# Altium PCB SW1106 100W 单C.PcbDoc (part 1 of 2)
Units mm, origin at the board's own origin, x right, y up, seen from the top; angles counter-clockwise.
Board outline 55.13 x 55.13 mm, 4 copper layers (Top Layer, Mid-Layer 1, Mid-Layer 2, Bottom Layer); 114 components, 71 nets, 330 pads, 226 vias.
Unrouted connection lines stored in the file: 11.
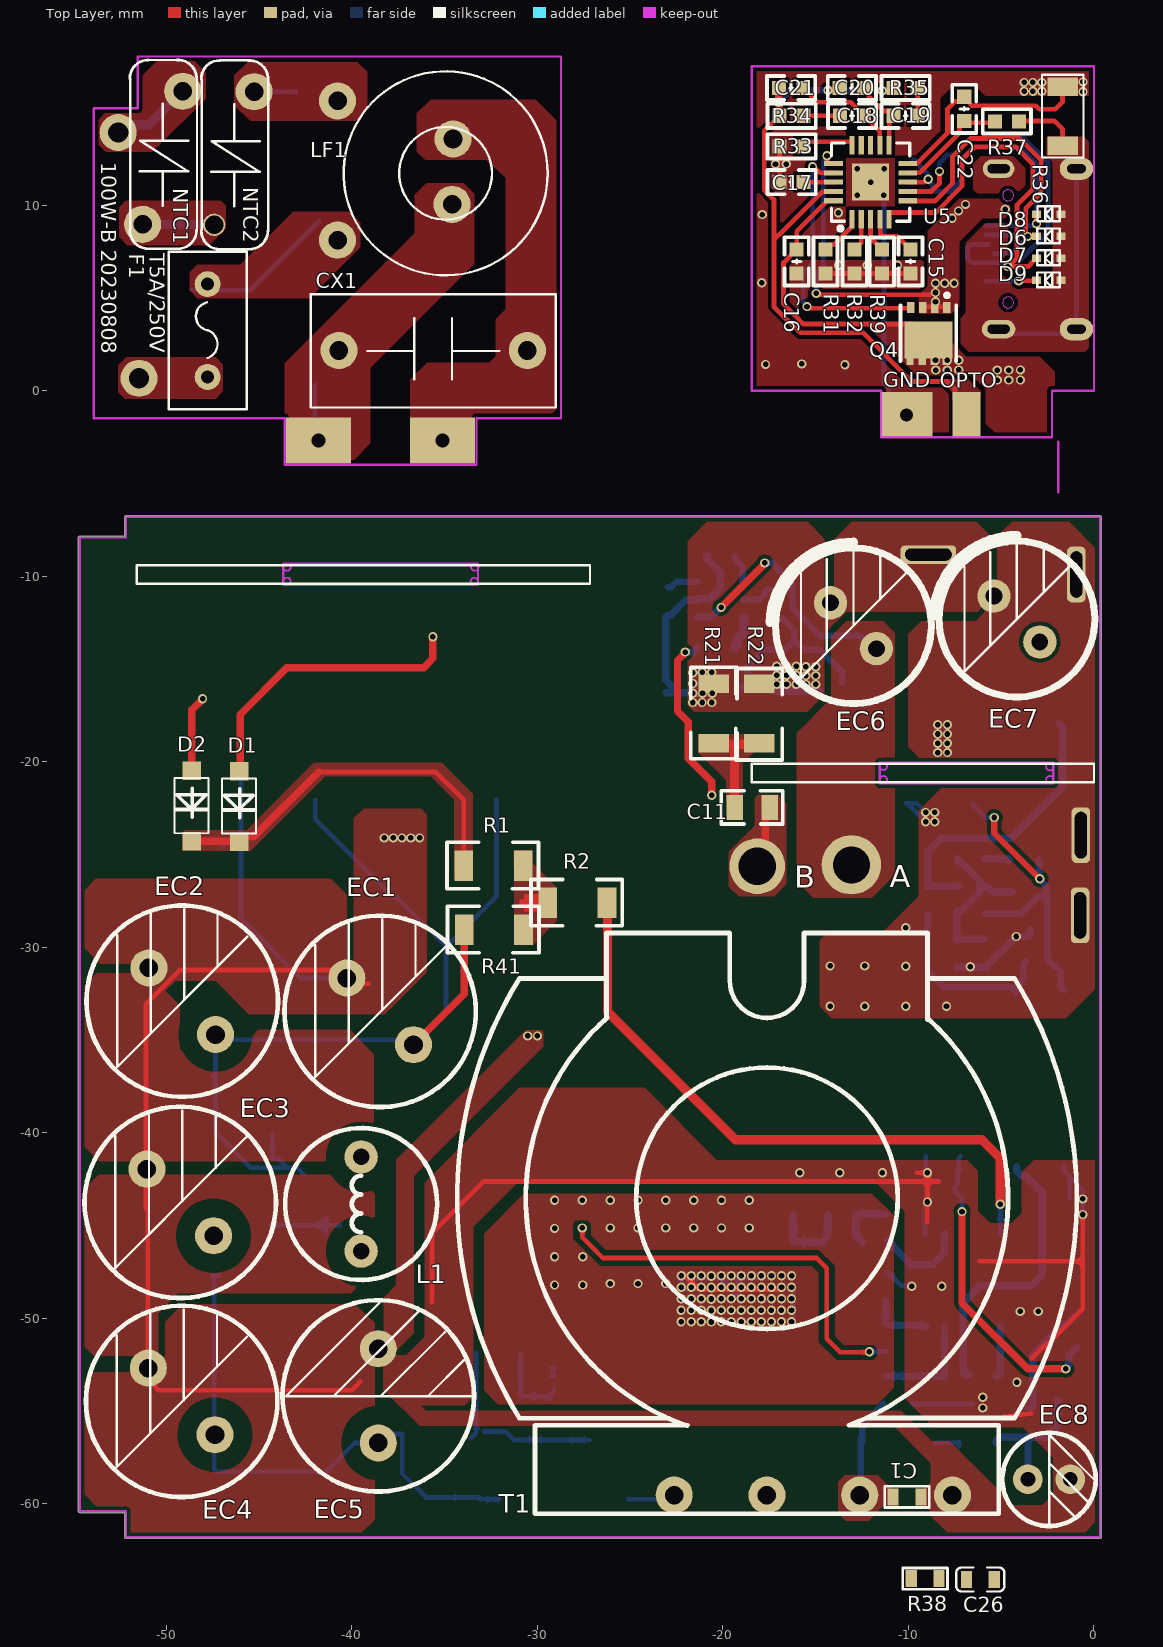
[diagram p0: Top Layer view]
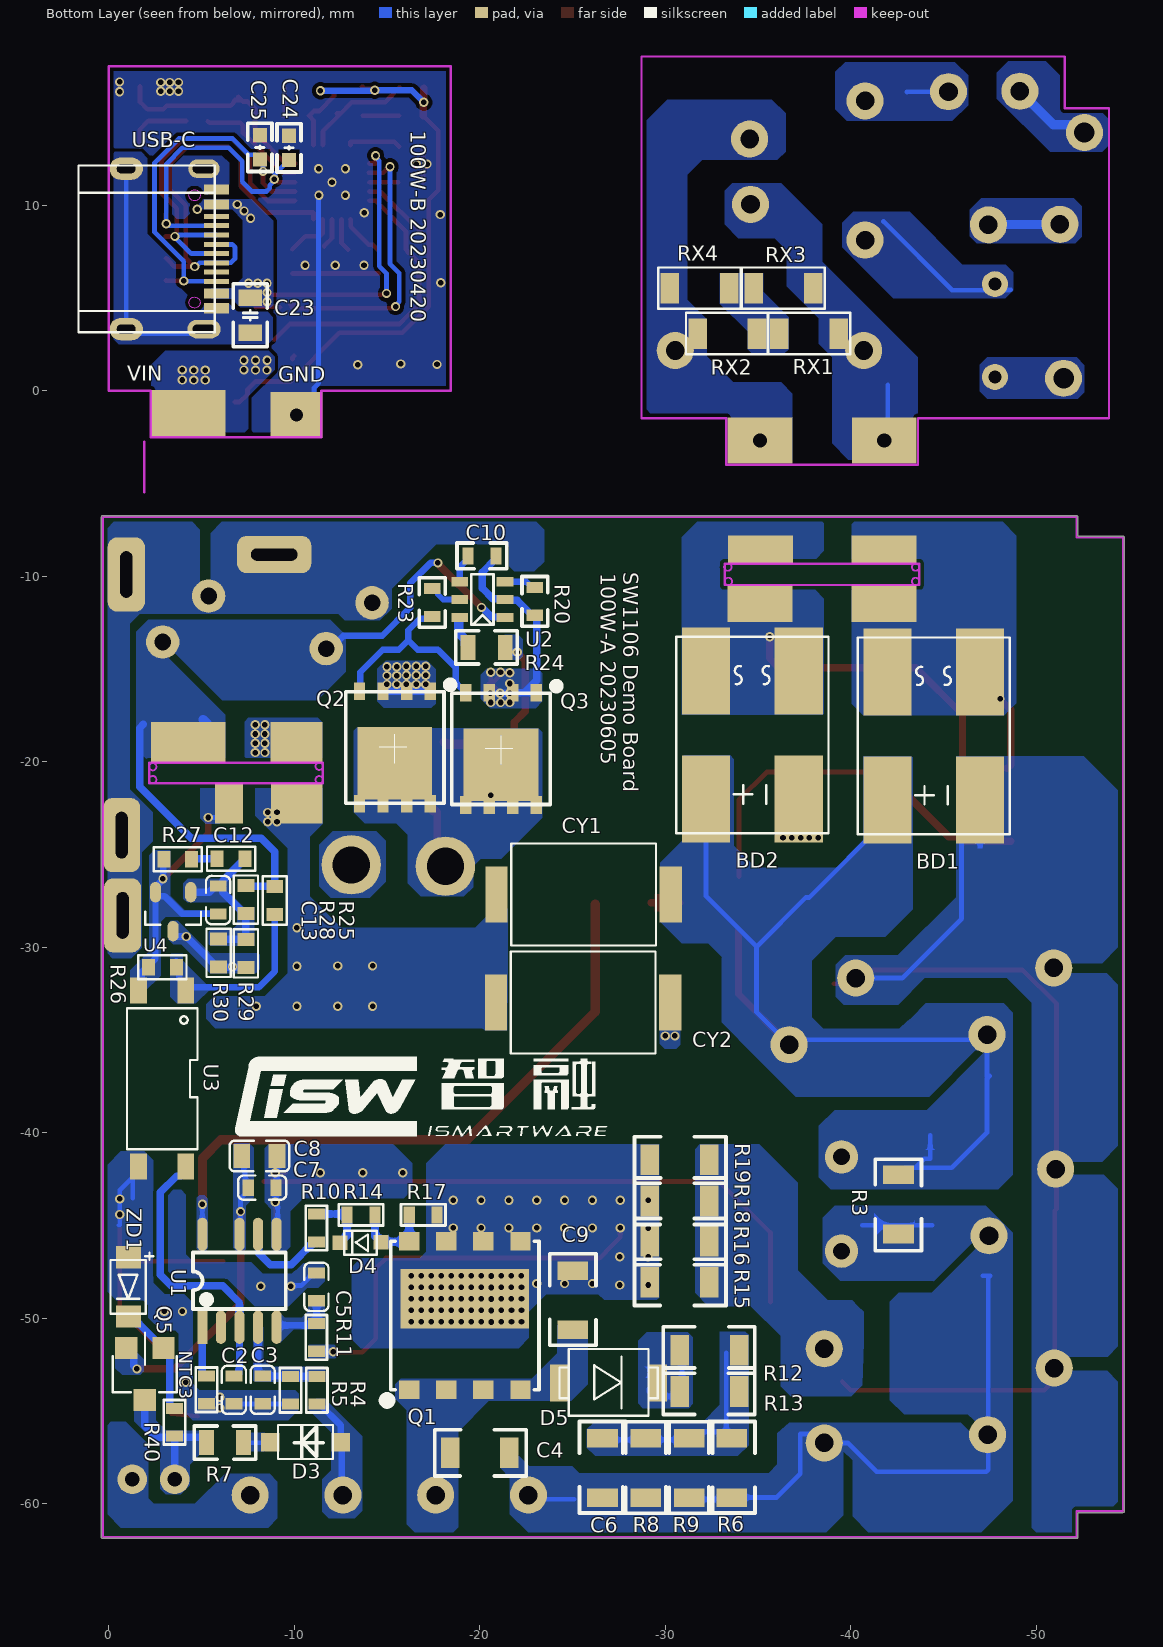
[diagram p1: Bottom Layer view, seen from below]

## Layer stack, top to bottom
Top Solder: solder mask 0.0102, Solder Resist, Dk 3.5
Top Layer: signal copper 0.0356
Dielectric 1: dielectric 0.32, FR-4, Dk 4.8
Mid-Layer 1: signal copper 0.0356
Dielectric3: dielectric 0.32, FR-4, Dk 4.8
Mid-Layer 2: signal copper 0.0356
Dielectric2: dielectric 0.32, FR-4, Dk 4.8
Bottom Layer: signal copper 0.0356
Bottom Solder: solder mask 0.0102, Solder Resist, Dk 3.5

## Board outline
-54.677,-60.464 cw(c-54.677,-60.4) -54.741,-60.4 -54.741,-7.9 cw(c-54.677,-7.9) -54.677,-7.836 -52.241,-7.836 -52.241,-6.8 cw(c-52.177,-6.8) -52.177,-6.736 0.323,-6.736 cw(c0.323,-6.8) 0.387,-6.8 0.387,-61.8 cw(c0.323,-61.8) 0.323,-61.864 -52.177,-61.864 cw(c-52.177,-61.8) -52.241,-61.8 -52.241,-60.464

## Design rules (kind name [scope] priority, off if disabled: settings)
Clearance Clearance_2 [InNet('PGND') vs InNet('380V')] p1: gap=1 ignorepadtopadclearanceinfootprint=FALSE
Clearance Clearance_1 [InNet('PGND') vs InNet('$$$23422')] p2: gap=1 ignorepadtopadclearanceinfootprint=FALSE
Clearance [All] p3: gap=0.2 ignorepadtopadclearanceinfootprint=FALSE
PlaneConnect [All] p1: planeconnectstyle=NoConnect reliefexpansion=0.508 reliefentries=4 reliefconductorwidth=0.254 reliefairgap=0.254
PolygonConnect [All] p1: connectstyle=Direct reliefconductorwidth=0.254 reliefentries=4 polygonreliefangle="90 Angle" airgapwidth=0.254
RoutingVias [All] p1: holewidth=0.711 width=1.27 viastyle="Through Hole" minholewidth=0.711 minwidth=1.27 maxholewidth=0.711 maxwidth=1.27
SolderMaskExpansion [All] p1: expansion=0.102 istentingtop=FALSE
Width [All] p1: maxlimit=1 minlimit=0.15 preferedwidth=0.254
29 further rules are at their usual default settings.

## Components (designator, comment, footprint, x,y, rotation, side; value= is the part's Value field where it differs from the comment)
BD1 "LXR80M" BRG$2F$Z4GP40JL(Z4PAK-D) -44.477,-18.6 r90 bottom
BD2 "LXR80M" BRG$2F$Z4GP40JL(Z4PAK-D) -34.702,-18.55 r90 bottom
C1 "220p" "0603R-S - ①" -10.077,-59.625 r180 top
C2 "1nF" "0603C-S - ①" -6.752,-53.85 r270 bottom
C3 "NC" "0603C-S - ①" -8.302,-53.85 r270 bottom
C4 "NC" "1206(Z)-C - 锡膏1部" -20.002,-57.225 r0 bottom (schematic designator C2)
C5 "220pF" "0603C-S - ①" -11.202,-48.3 r90 bottom
C6 "1nF/1KV" "1206(Z)-C - 锡膏1部" -26.608,-58.063 r270 bottom (schematic designator C2)
C7 "100nF" "0603C-S - ①" -8.277,-42.95 r0 bottom
C8 "10uF/25V" 0805C_S -8.127,-41.25 r180 bottom
C9 "22P/1KV" "1206(Z)-C - 锡膏1部" -25.002,-49.025 r270 bottom (schematic designator C2)
C10 "1uF" "0603(Z)-C 锡膏1部" -20.125,-8.9 r180 bottom (schematic designator C8)
C11 "680P/250V" "0805(Z)-C 锡膏1部" -18.425,-22.45 r0 top (schematic designator C7)
C12 "NC" RC0603$2F$REFLOW$2F$Z -6.6,-25.225 r90 bottom
C13 "NC" "0603C-S - ①" -5.9,-27.45 r270 bottom
C15 "1uF" "C 0603" -9.89,6.975 r90 top (schematic designator C1)
C16 "1uF" "C 0603" -16.025,6.973 r90 top (schematic designator C11)
C17 "1uF" "C 0603" -16.3,11.25 r0 top (schematic designator C11)
C18 "3.3nF" "C 0603" -13.04,14.825 r180 top (schematic designator C3)
C19 "68nF" "C 0603" -10.15,14.825 r0 top (schematic designator C4)
C20 "330pF" "C 0603" -13.05,16.325 r180 top (schematic designator C5)
C21 "330pF" "C 0603" -16.325,16.325 r180 top (schematic designator C2)
C22 "1uF" "C 0603" -6.99,15.2 r90 top (schematic designator C7)
C23 "10uF/25V" "C 0805" -7.632,4.075 r90 bottom (schematic designator C8)
C24 "330pF/25V" "C 0603" -9.725,13.1 r270 bottom (schematic designator C10)
C25 "330pF/25V" "C 0603" -8.15,13.125 r270 bottom (schematic designator C9)
C26 "NC" "0603C-S - ①" -6.127,-64.075 r180 top
CX1 "0.33uF/275V" CX13*6 -40.7,2.175 r0 top
CY1 "NC" Y1$2F$SMD -25.602,-27.15 r0 bottom
CY2 "681K/400V" Y1$2F$SMD -25.575,-32.975 r0 bottom
D1 "F7" SOD-123 -46.075,-22.4 r270 top
D2 "F7" SOD-123 -48.625,-22.375 r270 top
D3 "A7" "SOD-123 一部" -10.602,-56.675 r0 bottom (schematic designator D2)
D4 "1N4148" SOD-323 -14.677,-45.9 r0 bottom
D5 "S3MF" SMBF -26.952,-53.45 r0 bottom
D6 "ESD5V" SOD-523 -1.775,8.325 r180 top (schematic designator D1)
D7 "ESD5V" SOD-523 -1.775,7.15 r180 top (schematic designator D2)
D8 "ESD22V" SOD-523 -1.77,9.525 r180 top (schematic designator D3)
D9 "ESD22V" SOD-523 -1.775,5.95 r180 top (schematic designator D4)
EC1 "33uF" Q10*18.4 -38.477,-33.45 r135 top
EC2 "33uF" Q10*18.4 -49.148,-32.904 r135 top
EC3 "33uF" Q10*18.4 -49.252,-43.75 r135 top
EC4 "33uF" Q10*18.4 -49.177,-54.475 r135 top
EC5 "33uF" Q10*18.4 -38.577,-54.175 r90 top
EC6 "1000uF/25V" CS8*11.5 -12.964,-12.663 r315 top
EC7 "1000uF/25V" CS8*11.5 -4.152,-12.3 r315 top
EC8 "10uF/100V" Q5*11 -2.411,-58.674 r0 top
F1 "" F$2F$8X4 -47.777,3.25 r270 top
GND "" PAD -10.215,-1.225 r0 top
L1 "22uH" DR0810 -39.502,-46.375 r90 top
LF1 "TC10*6*4" "TC9*5*3 w" -34.95,11.725 r0 top
NTC1 "2.5R" 10D471#1 -51.277,8.975 r90 top
NTC2 "5R" 10D471#2 -47.427,8.95 r90 top
NTC3 "100K" "0603R-S - ①" -5.275,-53.85 r270 bottom
Q1 "INN650D150" "DFN8*8 (Z)" -19.207,-49.85 r0 bottom
Q2 "VSP004N10MS" "DFN5*6 (Z) -LT4480" -15.427,-19.225 r0 bottom
Q3 "NC" "DFN5*6 (Z) -LT4480" -21.152,-19.3 r0 bottom
Q4 "RU3040M2" PDFN-3*3 -8.924,3.1 r180 top (schematic designator Q1)
Q5 "MMBT5551" SOT-23 -0.95,-51.6 r0 bottom
R1 "5.1K" "1206(Z)-R - 锡膏1部" -32.375,-25.6 r0 top (schematic designator R22)
R2 "5.1K" "1206(Z)-R - 锡膏1部" -27.85,-27.6 r0 top (schematic designator R22)
R3 "5.1K" "1206(Z)-R - 锡膏1部" -42.577,-43.85 r90 bottom (schematic designator R22)
R4 "220K" "0603R-S - ①" -11.227,-53.875 r270 bottom
R5 "12K" "0603R-S - ①" -9.802,-53.875 r270 bottom
R6 "750K" "1206(Z)-R - 锡膏1部" -33.581,-58.061 r270 bottom (schematic designator R4)
R7 "0R" "0805(Z)-R 锡膏1部Pro" -6.277,-56.7 r180 bottom (schematic designator R3)
R8 "750K" "1206(Z)-R - 锡膏1部" -28.957,-58.066 r270 bottom (schematic designator R4)
R9 "750K" "1206(Z)-R - 锡膏1部" -31.287,-58.066 r270 bottom (schematic designator R4)
R10 "5.1R" "0603R-S - ①" -11.202,-45.125 r270 bottom
R11 "100R" "0603R-S - ①" -11.202,-51.025 r90 bottom
R12 "75R" "1206(Z)-R - 锡膏1部" -32.391,-51.714 r180 bottom (schematic designator R9)
R13 "75R" "1206(Z)-R - 锡膏1部" -32.391,-53.939 r180 bottom (schematic designator R9)
R14 "150R" "0603R-S - ①" -13.602,-44.425 r0 bottom
R15 "0.39R" "1206(Z)-R - 锡膏1部" -30.775,-48.05 r0 bottom (schematic designator R4)
R16 "0.39R" "1206(Z)-R - 锡膏1部" -30.775,-45.85 r0 bottom (schematic designator R4)
R17 "20K" "0603R-S - ①" -16.952,-44.425 r0 bottom
R18 "0.39R" "1206(Z)-R - 锡膏1部" -30.775,-43.675 r0 bottom (schematic designator R4)
R19 "0.30R" "1206(Z)-R - 锡膏1部" -30.775,-41.45 r0 bottom (schematic designator R4)
R20 "51K" "0603(Z)-R 锡膏1部" -22.975,-11.35 r270 bottom (schematic designator R12)
R21 "20R" "1206(Z)-R - 锡膏1部" -20.5,-17.4 r270 top (schematic designator R4)
R22 "20R" "1206(Z)-R - 锡膏1部" -18.05,-17.4 r90 top (schematic designator R4)
R23 "0R" "0603(Z)-R 锡膏1部" -17.442,-11.413 r270 bottom (schematic designator R12)
R24 "100R" "0805(Z)-R 锡膏1部Pro" -20.375,-13.825 r180 bottom (schematic designator R12)
R25 "1K" RC0603$2F$REFLOW$2F$Z -8.95,-27.475 r0 bottom
R26 "3K" RC0603$2F$REFLOW$2F$Z -2.9,-31.075 r90 bottom
R27 "NC" RC0603$2F$REFLOW$2F$Z -3.725,-25.25 r90 bottom
R28 "NC" RC0603$2F$REFLOW$2F$Z -7.4,-27.425 r180 bottom
R29 "NC" RC0603$2F$REFLOW$2F$Z -7.4,-30.325 r0 bottom
R30 "NC" RC0603$2F$REFLOW$2F$Z -5.925,-30.3 r0 bottom
R31 "100K" "R 0603" -14.475,6.973 r90 top (schematic designator R1)
R32 "NC" "R 0603" -12.9,6.973 r90 top (schematic designator R2)
R33 "NC" "R 0603" -16.3,13.175 r180 top (schematic designator R8)
R34 "1K" "R 0603" -16.3,14.825 r180 top (schematic designator R3)
R35 "1K" "R 0603" -10.15,16.325 r180 top (schematic designator R4)
R36 "5mR" "1206R_S - ①" -1.69,14.8 r270 top (schematic designator R6)
R37 "510R" "R 0603" -4.69,14.525 r0 top (schematic designator R7)
R38 "NC" "0603R-S - ①" -9.102,-64.025 r180 top
R39 "100K" "R 0603" -11.431,6.969 r270 top (schematic designator R8)
R40 "47K" "0603R-S - ①" -3.55,-55.6 r270 bottom
R41 "NC" "1206(Z)-R - 锡膏1部" -32.35,-29.05 r0 top (schematic designator R22)
RX1 "NC" "1206R_S - ①" -37.75,3.075 r180 bottom
RX2 "NC" "1206R_S - ①" -33.35,3.075 r180 bottom
RX3 "NC" "1206R_S - ①" -36.375,5.525 r180 bottom
RX4 "NC" "1206R_S - ①" -31.85,5.525 r180 bottom
T1 "" POT3319 -17.627,-43.525 r90 top locked
U1 "SW1106" NCP1342AMDCDA/SOIC-9 -7.052,-47.975 r270 bottom
U2 "SW1608" SOT23-6-SM -20.15,-11.25 r90 bottom (schematic designator U3)
U3 "EL1018" OT$2F$SMD-4 -2.887,-37.075 r270 bottom
U4 "NC" SOT-23$2F$REFLOW$2F$Z -3.475,-28.075 r270 bottom
U5 "SW2325" SW232X_QFN20-4X4 -12.04,11.25 r0 top (schematic designator IC1)
USB-C "" USB-C-S -2.052,7.65 r0 bottom locked
ZD1 "13V" SOD-123S -1.05,-48.3 r270 bottom
? "" "1.0mm 板槽 0.15mm" -46.006,-10.391 r90 top
? "" "1.0mm 板槽 0.1mm" -11.465,-21.1 r90 top

## Footprints (in the part's own frame and the unit in brackets; to place one, negate y for a bottom-side part, rotate by r counter-clockwise, add the part's x,y. Pads: shape width x height; smd on the part's side, far side on the other; paste and mask are expansions set on the pad)
"1.0mm 板槽 0.1mm" [mm]
  Keep-Out Layer circle w0.1: c0.841,-9.09 r0.2
  Keep-Out Layer circle w0.1: c0.141,-9.09 r0.2
  Keep-Out Layer circle w0.1: c0.863,-0.111 r0.2
  Keep-Out Layer circle w0.1: c0.136,-0.112 r0.2
  Keep-Out Layer lines w0.127: -0.05,0.075 1.05,0.075 1.05,-9.275 -0.05,-9.275 -0.05,0.075
"1.0mm 板槽 0.15mm" [mm]
  Keep-Out Layer circle w0.1: c0.891,-12.629 r0.2
  Keep-Out Layer circle w0.1: c0.116,-12.604 r0.2
  Keep-Out Layer circle w0.1: c0.891,-2.506 r0.2
  Keep-Out Layer circle w0.1: c0.116,-2.506 r0.2
  Keep-Out Layer lines w0.127: -0.075,-2.306 1.075,-2.306 1.075,-12.804 -0.075,-12.804 -0.075,-2.306
10D471#1 [mm]
  round 2 hole 1: 1(0,0) 2(7.175,-2.156)
  silkscreen extent -1.31,-2.93 8.86,0.7
10D471#2 [mm]
  round 1.2 / inner round 2 / far side round 2 hole 1: 1(0,0)
  round 2 hole 1: 2(7.175,-2.156)
  silkscreen extent -1.31,-2.93 8.86,0.7
"0603(Z)-C 锡膏1部" [mm]
  rect 0.6x0.9 smd: 1(-0.754,-0.005) 2(0.746,-0.005)
  silkscreen extent -1.34,-0.7 1.34,0.69, body extent -0.8,-0.41 0.8,0.41, height 0.81
"0603(Z)-R 锡膏1部" [mm]
  rect 0.6x0.9 smd: 1(-0.754,-0.005) 2(0.746,-0.005)
  silkscreen extent -1.34,-0.7 1.34,0.69, body extent -0.8,-0.41 0.8,0.39, height 0.4
"0603C-S - ①" [mm] "防锡珠工艺"
  rect 0.6x0.9 smd: 1(-0.75,0) 2(0.75,0)
  silkscreen extent -1.3,-0.65 1.3,0.65, body extent -0.8,-0.41 0.8,0.41, height 0.81
"0603R-S - ①" [mm] "防锡珠工艺"
  rect 0.6x0.9 smd: 1(-0.75,0) 2(0.75,0)
  silkscreen extent -1.2,-0.57 1.2,0.57, body extent -0.8,-0.4 0.8,0.4, height 0.45
"0805(Z)-C 锡膏1部" [mm]
  rect 0.89x1.35 smd: 1(-0.95,0) 2(0.95,0)
  silkscreen extent -1.66,-0.9 1.65,0.9, body extent -1,-0.61 1,0.61, height 0.51
"0805(Z)-R 锡膏1部Pro" [mm] "防锡珠工艺"
  rect 0.8x1.35 smd: 1(-1,0) 2(1,0)
  silkscreen extent -1.66,-0.9 1.65,0.9, body extent -1,-0.62 1,0.63, height 0.5
0805C_S [mm]
  rect 0.895x1.3 smd: 1(0.947,0) 2(-0.947,0)
  silkscreen extent -1.6,-0.83 1.6,0.82, body extent -1,-0.61 1,0.61, height 0.51
"1206(Z)-C - 锡膏1部" [mm]
  rect 1x1.65 smd: 1(-1.602,0.013) 2(1.598,0.013)
  silkscreen extent -2.5,-1.23 2.43,1.27, body extent -1.6,-0.81 1.6,0.81, height 1.21
"1206(Z)-R - 锡膏1部" [mm]
  rect 1x1.65 smd: 1(-1.6,0) 2(1.6,0)
  silkscreen extent -2.5,-1.24 2.43,1.26, body extent -1.6,-0.8 1.6,0.8, height 0.55
"1206R_S - ①" [mm] "防锡珠工艺"
  rect 1x1.65 smd: 1(-1.6,0) 2(1.6,0)
  silkscreen extent -2.23,-1.11 2.22,1.13, body extent -1.6,-0.78 1.6,0.82, height 0.55
BRG$2F$Z4GP40JL(Z4PAK-D) [mm]
  rect 4.7x2.6 smd: 1(-3.45,2.5) 2(3.45,2.5) 3(3.45,-2.5) 4(-3.45,-2.5)
  silkscreen extent -5.3,-4.1 5.3,4.1
"C 0603" [mil] "无极性贴片电容"
  rect 30x30 smd: 1(-25.59,0) 2(25.59,0)
  silkscreen extent -51,-26 51,26, body extent -31,-16 31,16, height 32
"C 0805" [mil] "无极性贴片电容"
  rect 35x50 smd: 1(-37.4,0) 2(37.4,0)
  silkscreen extent -67,-36 67,36, body extent -39,-24 39,24, height 20
CS8*11.5 [mm] "脚距3.5mm , 直径8mm , 高11.5mm"
  round 1.8 hole 0.9: 1(1.75,0) 2(-1.75,0)
  silkscreen extent -4.5,-4.2 4.2,4.2, body extent -4,-4 4,4, height 11.52
CX13*6 [mm]
  round 2 hole 1: 1(0,0) 2(10.16,0)
  silkscreen extent -1.52,-3.07 11.68,3.02
"DFN5*6 (Z) -LT4480" [mm]
  rect 0.61x0.945 smd: 1(-1.905,-3.025) 2(-0.635,-3.025) 3(0.635,-3.025) 4(1.905,-3.025) 5(1.905,3.025) 6(0.635,3.025) 7(-0.635,3.025) 8(-1.905,3.025)
  rect 4.03x3.9 smd: 9(0,0.85)
  silkscreen extent -3.12,-3.52 2.65,3, body extent -2.65,-2.87 2.66,2.87, height 1.2
"DFN8*8 (Z)" [mm] "INN650D02"
  rect 1.1x1 smd: "1 D"(3.005,4) "2 D"(1.005,4) "3 D"(-0.995,4) "4 D"(-2.995,4) "5 S"(-2.995,-4.004) "6 S"(-0.995,-4.004) "7 S"(1.005,-4.004) "8 G"(3.005,-4.004)
  rect 6.94x3.2 smd: S(0.005,-0.904)
  silkscreen extent -4,-4 4.4,4.77, body extent -4,-4.03 4,3.98, height 1
DR0810 [mm]
  round 1.8 hole 0.9: 1(0,0) 2(5.08,0)
  silkscreen extent -1.55,-4.1 6.63,4.09, body extent -2,-4.5 7,4.5, height 12.02
F$2F$8X4 [mm]
  round 1.4 hole 0.7: 1(2.5,0) 2(-2.5,0)
  silkscreen extent -4.25,-2.1 4.25,2.1
NCP1342AMDCDA/SOIC-9 [mm]
  rect 1.8x0.55 smd: 1FAULT(2.5,-2)
  oval 1.8x0.55 smd: "2 NC"(2.5,-1) 3FB(2.5,0) 4ZCD(2.5,1) 5CS(2.5,2) 6GND(-2.5,2) 7DRV(-2.5,1) 8VCC(-2.5,0) "10 HV"(-2.5,-2)
  silkscreen extent -1.52,-2.5 1.52,2.5
OT$2F$SMD-4 [mm]
  rect 1.4x0.9 smd: 1(-4.75,1.275) 2(-4.75,-1.275) 3(4.75,-1.275) 4(4.75,1.275)
  silkscreen extent -3.8,-1.9 3.8,1.9
PAD [mm] "PAD焊盘"
  rect 2.8x2.5 hole 0.7: 1(0.1,-0.075)
PDFN-3*3 [mm] "DFN3*3, PDFN3*3"
  rect 0.4x0.6 smd: 1(-0.992,-1.4) 2(-0.342,-1.4) 3(0.308,-1.4) 4(0.958,-1.4) 5(0.992,1.4) 6(0.341,1.4) 7(-0.309,1.4) 8(-0.959,1.4)
  rect 2.6x2 smd: 8(-0.005,0.35)
  silkscreen extent -1.5,-2.15 1.5,1.5
POT3319 [mm] "5+0PIN H=19"
  round 2 hole 1: 2(-16,5) 3(-16,0) 4(-16,-5) 5(-16,-10)
  silkscreen extent -17,-16.7 14.3,16.7
Q5*11 [mm]
  round 1.6 hole 0.8: 1(-1.15,-0.001) 2(1.136,-0.001)
  silkscreen extent -2.53,-2.54 2.51,2.51, body extent -2.5,-2.5 2.51,2.5, height 11.04
Q10*18.4 [mm] "33ufF/400V"
  round 2 hole 1: 1(-2.54,0) 2(2.54,0)
  silkscreen extent -5.16,-5.16 5.16,5.16, body extent -5.14,-5.12 5.14,5.17, height 18.4
"R 0603" [mil] "1/10W贴片电阻"
  rect 30x30 smd: 1(-25.59,0) 2(25.59,0)
  silkscreen extent -51,-26 51,26, body extent -31,-16 32,16, height 16
RC0603$2F$REFLOW$2F$Z [mm]
  rect 0.9x0.7 smd: 1(0,0.75) 2(0,-0.75)
  silkscreen extent -0.65,-1.3 0.65,1.3
SMBF [mm]
  rect 1x2 smd: 1(2.65,0.025) 2(-2.65,0.025)
  silkscreen extent -2.65,-1.8 2.65,1.8
SOD-123 [mm]
  rect 1x1 smd mask+0.05: 1(-1.9,0) 2(1.9,-0.01)
  silkscreen extent -1.5,-0.93 1.47,0.9
"SOD-123 一部" [mm]
  rect 1x1 smd mask+0.05: 1(-1.9,0) 2(1.9,-0.01)
  silkscreen extent -1.5,-0.93 1.47,0.9
SOD-123S [mm] "锡膏封装"
  rect 1.2x1.35 smd: 1(-1.6,0.025) 2(1.6,0.025)
  silkscreen extent -1.85,-0.95 1.45,1.35, body extent -1.83,-0.78 1.87,0.82, height 1.2
SOD-323 [mm]
  rect 0.8x0.8 smd: 1(0,0) 2(2.2,0.025)
  silkscreen extent 0.23,-0.63 1.98,0.68, body extent -0.18,-0.62 2.42,0.68, height 1
SOD-523 [mm]
  rect 0.48x0.4 smd: 1(0,0) 2(1.32,0)
  silkscreen extent 0.08,-0.42 1.28,0.38, body extent -0.12,-0.43 1.48,0.37, height 0.65
SOT23-6-SM [mm]
  rect 0.5x0.9 smd: 1(-0.965,-1.22) 2(0,-1.22) 3(0.965,-1.22) 4(0.965,1.22) 5(0,1.22) 6(-0.965,1.22)
  silkscreen extent -1.37,-0.6 1.37,0.6, body extent -1.44,-1.4 1.46,1.4, height 1.42
SOT-23 [mm]
  rect 1.2x1.2 smd: 1(-2,0) 2(-1,2.8) 3(0,0)
  silkscreen extent -2.73,-0.82 0.73,2.38, body extent -2.43,0 0.47,2.8, height 1.2
SOT-23$2F$REFLOW$2F$Z [mm]
  oval 1.1x0.6 smd: A(-1.05,-0.95) K(-1.05,0.95) R(1.05,0)
  silkscreen extent 0,-1.5 0.7,1.5
SW232X_QFN20-4X4 [mm] "20脚，长x宽x高：4x4x0.95mm，脚距：0.5mm"
  rect 0.28x1 smd: 1(-1,-2) 2(-0.5,-2) 3(0,-2) 4(0.5,-2) 5(1,-2) 11(1,2) 12(0.5,2) 13(0,2) 14(-0.5,2) 15(-1,2)
  rect 1x0.28 smd: 6(2,-1) 7(2,-0.5) 8(2,0) 9(2,0.5) 10(2,1) 16(-2,1) 17(-2,0.5) 18(-2,0) 19(-2,-0.5) 20(-2,-1)
  rect 2x2 smd: 21(0,0)
  silkscreen extent -2.11,-2.6 2.11,2.11, body extent -2.01,-2.01 2.01,2.01, height 0.75
"TC9*5*3 w" [mm]
  round 2 hole 1: 1(-5.825,3.9) 2(-5.825,-3.6) 3(0.4,1.85) 4(0.35,-1.675)
  silkscreen extent -5.5,-5.5 5.5,5.5
USB-C-S [mm] "SMD沉板  7.5"
  round 0.5 hole 0.6: 0(-2.576,-2.89) 0(-2.576,2.89)
  round 0.5 on Bottom Overlay: 0(0,0)
  rect 1.34x0.27 smd: A5(-3.766,-1.25) A6(-3.766,-0.25) A7(-3.766,0.25) A8(-3.766,-1.75) B5(-3.766,1.75) B6(-3.766,0.75) B7(-3.766,-0.75) B8(-3.766,1.25)
  rect 1.34x0.55 smd: B1/A12(-3.766,3.2) B4/A9(-3.766,2.4) B9/A4(-3.766,-2.4) B12/A1(-3.766,-3.2)
  oval 1.7x1 hole 0.5 slot 1.2 at 0 deg: gnd(-3.086,-4.325)
  oval 1.8x1 hole 0.5 slot 1.2 at 0 deg: gnd(-3.086,4.325)
  oval 1.8x1.2 hole 0.5 slot 1 at 0 deg: gnd(1.109,-4.325) gnd(1.109,4.325)
  Keep-Out Layer circle w0.03: c-2.576,2.89 r0.3
  Keep-Out Layer circle w0.03: c-2.576,-2.89 r0.3
  silkscreen extent -3.68,-4.5 3.68,4.5, body extent -4.2,-4.45 3.7,4.5, height 3.2
Y1$2F$SMD [mm]
  rect 1.2x3 smd: 1(-4.7,0) 2(4.7,0)
  silkscreen extent -3.9,-2.75 3.9,2.75

## Part data
C4 C6 C9: library part C-CAP(Z), "CAP 4.7 μF/50 V, +/- 10%, X6S, 0805"
C10 C11: library part CAP
C15 C16 C17 C18 C19 C20 C21 C22 C23 C24 C25: library part Capacitor, "电容-无极性"
D3: library part DIODE
D4: "贴片稳压管"
D6 D7 D8 D9: library part Diode_ESD, "防静电二极管"
GND: library part PAD
Q4: library part MOSFET-PDFN, "PDFN封装N-MOS"
R1 R2 R3 R6 R8 R9 R12 R13 R15 R16 R18 R19 R21 R22 R41: library part RES1(Z)-S, "RES, 69.8K, 1%, 0.1 W, 0603"
R7 R20 R23 R24: library part RES
R31 R32 R33 R34 R35 R36 R37 R39: library part Resistance, "电阻"
U2: library part SC3503SBER
U5: "智融科技SW2325"

## Free pads (board coordinates)
  rect 2.8x2.2 smd far side: 2(-10.14,-22.234) 2(-10.115,-18.959)
  rect 1.5x2.5 smd: 2(-6.865,-1.3)
  rect 1.5x2.2 smd far side: 2(-6.49,-22.234)
  rect 4x2.2 smd far side: 2(-4.29,-18.959)
  rect 4x2.5 smd far side: 2(-4.29,-1.2)
  round 3.2 hole 2: 9(-13.077,-25.55)
  round 3 / inner round 3 / far side round 3.2 hole 2: 10(-18.152,-25.625)
  rect 3.5x2.5 hole 0.762: 15(-41.81,-2.675) 15(-35.11,-2.675)
  rect 3.5x2 smd far side: 15(-41.802,-11.45) 15(-35.102,-11.45)
  rect 3.5x1.5 smd far side: 15(-41.802,-8.55) 15(-35.127,-8.55)
  rrect50% 3x1 / inner rrect50% 4x2 / far side rrect50% 4x2 hole 0.65 slot 2.5 at 0 deg: 15(-8.925,-8.825)
  rrect50% 1x3 / inner rrect50% 2x4 / far side rrect50% 2x4 hole 0.65 slot 2.5 at 90 deg: 15(-0.95,-9.9) 15(-0.75,-28.275) 15(-0.7,-23.95)
  round 2 hole 1.1: 16(-51.475,0.675) 17(-52.6,13.925)

## Via types
v1: diameter 0.5, hole 0.3, Top Layer to Bottom Layer, tented both sides, 226 vias

## Nets (pads, with @x,y where several pads share a name; then routed paths per layer and width w, separated by ;. In a path a pad name is that pad's centre, name@x,y a point inside that pad or via, vN(x,y) a via of type N, cw(c..) or ccw(c..) an arc to the next point about the centre after c; other vN are vias at no path point)
1-3: R23.1 U2.5 | length 1.8
  Bottom Layer w0.3: U2.5@-18.93,-11.25 -18.03,-11.25 -17.737,-10.957 -17.737,-10.809 -17.587,-10.659 R23.1@-17.437,-10.659
1-5: R1.2 R2.1 R41.2 | length 2.2
  Top Layer w0.4: -30.8,-27.6 R2.1@-29.45,-27.6 ; -30.1,-27.6 R2.1@-29.45,-27.6 ; R2.1@-29.25,-27.6 R2.1@-29.45,-27.6
1-6: "Q1.8 G" D4.1 R14.1 R17.2 | length 4.4
  Bottom Layer w0.4: R17.2@-16.202,-44.425 -16.202,-45.846 -16.175,-45.873 D4.1@-14.875,-45.873 ; D4.1@-14.602,-45.925 -14.602,-45.825 -14.352,-45.575 R14.1@-14.352,-44.425
1-7: D4.2 R10.1 R14.2 | length 3.4
  Bottom Layer w0.4: R14.2@-12.852,-44.425 -12.852,-45.55 D4.2@-12.477,-45.925 ; R14.2@-12.752,-44.525 -12.752,-44.375 R10.1@-11.202,-44.375
1-8: C11.1 R21.2 R22.1 | length 5.8
  Top Layer w0.5: R21.2@-20.5,-19 -20.45,-19.05 -19.2,-19.05 ; C11.1@-19.425,-22.225 -19.375,-22.175 -19.375,-19.225 -19.2,-19.05 ; R22.1@-18.075,-18.925 -18.2,-19.05 -19.2,-19.05
1-41: C1.2 D3.1 R4.2 R38.2 T1.4 | length 5.7
  Bottom Layer w0.35: T1.4@-12.627,-59.525 -12.565,-59.462 -12.565,-56.675 -12.565,-56.437 D3.1@-12.527,-56.4 ; D3.1@-12.502,-56.675 -12.502,-56.437 -12.502,-55.75 R4.2@-11.352,-54.6
380V: C4.1 C6.2 EC3.1 EC4.1 EC5.1 L1.1 R3.1 R6.2 R8.2 R9.2 T1.2 | length 36.1
  Bottom Layer w0.254: -47.119,-47.696 -47.414,-47.696 -47.516,-47.696 -47.414,-47.798 -47.414,-57.096 -47.414,-58.165 -47.312,-58.267 -41.392,-58.267 -39.84,-56.715 EC5.1@-38.577,-56.715 ; -44.398,-44.975 -40.627,-44.975 ; EC5.1@-38.608,-56.231 -37.287,-56.231 -37.287,-56.927 -37.287,-58.365 -36.001,-59.651 -33.767,-59.651 R6.2@-33.107,-59.651 ; R6.2@-33.107,-59.751 R9.2@-32.057,-59.751 ; -25.097,-59.75 -22.727,-59.75 T1.2@-22.486,-59.509
$$$25: C13.2 pad.2@-6.49,-22.234 R26.1 R27.1 U3.2 U4.A | length 17.1
  Top Layer w0.35: v1(-5.375,-23) -5.375,-23.85 v1(-2.925,-26.3)
  Bottom Layer w0.254: pad.2@-6.49,-22.234 -6.49,-22.377 -5.867,-23 v1(-5.375,-23)
  Bottom Layer w0.35: C13.2@-5.9,-28.2 -3.975,-28.2 -3.008,-27.233 U4.A@-2.675,-27.233 ; R27.1@-2.975,-25.25 -2.95,-25.275 -2.95,-26.275 v1(-2.925,-26.3) -2.925,-26.337 -2.573,-26.69 U4.A@-2.573,-26.957 ; U4.A@-2.525,-27.025 -2.525,-27.233 -2.525,-30.6 -2.15,-30.975 R26.1@-2.15,-31.075 ; R26.1@-2.15,-30.95 -1.79,-31.31 -1.79,-32.147 U3.2@-1.612,-32.325
$$$2266: D1.2 D2.2 R1.1 | length 20.9
  Top Layer w0.254: -41.8,-20.55 -35.475,-20.55 -33.975,-22.05 R1.1@-33.975,-26.198
  Top Layer w0.4: D2.2@-48.635,-24.275 -48.622,-24.288 -46.263,-24.288 D1.2@-46.175,-24.2 ; D1.2@-46.085,-24.3 -45.828,-24.043 -45.293,-24.043 -41.8,-20.55
$$$2374: BD2.2 BD2.3 D1.1 pad.15@-35.102,-11.45 pad.15@-35.127,-8.55 | length 16.1
  Top Layer w0.4: D1.1@-46.025,-20.694 -46.025,-17.448 -43.502,-14.925 -36.127,-14.925 -35.633,-14.431 v1(-35.633,-13.25)
$$$2377: BD1.2 BD1.3 D2.1 pad.15@-41.802,-8.55 pad.15@-41.802,-11.45 | length 4.4
  Top Layer w0.4: D2.1@-48.4,-20.35 -48.45,-20.35 -48.625,-20.175 -48.625,-17.202 -48.05,-16.627 v1(-48.05,-16.6)
  Bottom Layer w0.254: -42.004,-2.481 -41.81,-2.675
$$$16138: R25.1 R26.2 U3.1 | length 9.8
  Bottom Layer w0.35: R25.1@-8.95,-28.225 -8.95,-31.3 -8.1,-32.15 -4.437,-32.15 -4.2,-32.387 U3.1@-4.2,-32.45 ; U3.1@-4.125,-31.975 -4.062,-31.975 -3.812,-31.725 -3.812,-30.912 R26.2@-3.65,-30.75
$$$16159: C12.1 R27.2 | length 1.3
  Bottom Layer w0.4: C12.1@-5.85,-25.225 -4.625,-25.225 -4.575,-25.275 R27.2@-4.575,-25.3
$$$22158: F1.2 LF1.2 | length 9.1
  Bottom Layer w0.254: -48.621,5.45 F1.2@-47.777,5.45 ; -48.527,5.425 -47.777,5.425 -45.475,5.425 -41.769,9.131
$$$22177: CX1.2 LF1.3 pad.15@-35.11,-2.675 RX2.1 RX4.1
$$$22253: F1.1 pad.16
$$$22256: NTC1.2 pad.17 | length 4.7
  Bottom Layer w0.5: pad.17@-52.6,13.925 -52.69,14.337 -50.934,14.337 NTC1.2@-49.121,16.15
$$$23422: BD1.1 BD2.1 CY1.1 EC1.1 EC2.1 L1.2 R3.2 R41.1 | length 57.7
  Top Layer w0.4: EC1.1@-36.681,-35.246 -33.95,-32.515 R41.1@-33.95,-29.05
  Bottom Layer w0.254: -44.287,-40.135 -44.287,-41.4 -43.962,-41.4 -43.485,-41.877 ; R3.2@-42.577,-42.25 -42.95,-41.877 -43.485,-41.877 ; BD1.1@-41.977,-22.05 -41.977,-23.1 -37.765,-27.312 -37.581,-27.312 -34.927,-29.966 ; BD2.1@-32.202,-22 -32.202,-27.241 -34.927,-29.966 ; -43.485,-41.877 -45.45,-41.877 -47.352,-39.975 -47.352,-37.07 -47.491,-36.931 -47.352,-36.931 EC2.1@-47.352,-34.7 -47.079,-34.973 -36.954,-34.973 EC1.1@-36.681,-35.246 -34.927,-33.492 -34.927,-29.966
$$$29827: CX1.1 LF1.4 pad.15@-41.81,-2.675 RX1.2 RX3.2 | length 2.8
  Bottom Layer w0.254: pad.15@-42.004,-2.481 -42.004,0.317
AGND: C10.2 CY1.2 CY2.2 EC6.2 EC7.2 pad.2@-10.14,-22.234 pad.2@-10.115,-18.959 pad.15@-0.7,-23.95 pad.15@-0.75,-28.275 pad.15@-0.95,-9.9 pad.15@-8.925,-8.825 Q2.1 Q2.2 Q2.3 Q3.1 Q3.2 Q3.3 R20.2 R21.1 R22.2 R29.1 R30.1 U2.2 U4.R | length 26
  Top Layer w0.254: v1(-21.122,-15.175) -21.075,-15.222 -21.075,-15.368 -20.74,-15.703 R21.1@-20.597,-15.703 ; v1(-21.1,-16.3) -21.049,-16.3 -20.994,-16.245 -20.994,-16.173 -20.621,-15.8 R21.1@-20.5,-15.8 ; v1(-20.597,-15.175) R21.1@-20.597,-15.703 ; v1(-20.575,-16.3) -20.575,-15.875 R21.1@-20.5,-15.8 ; R21.1@-20.597,-15.703 R21.1@-20.5,-15.8
  Bottom Layer w0.254: v1(-9.075,-23.225) -10.066,-22.234 pad.2@-10.14,-22.234 -9.566,-22.234 v1(-9.075,-22.725)
  Bottom Layer w0.4: Q3.1@-23.057,-16.275 -22.4,-16.275 ; Q3.2@-21.735,-16.3 v1(-21.1,-16.3) -21.087,-16.287 -20.478,-16.287 Q3.3@-20.465,-16.3 ; v1(-21.625,-16.3) -21.65,-16.275 -22.4,-16.275 ; C10.2@-20.871,-8.905 -20.871,-9.055 -20.15,-9.776 -20.15,-10.65 -20.7,-11.2 -21.32,-11.2 -21.42,-11.3 -22.024,-11.3 -22.82,-12.096 -22.975,-12.096 -23.075,-12.196 -23.075,-15.6 -22.4,-16.275 ; v1(-20.575,-16.3) -20.55,-16.275 Q3.3@-20.517,-16.275 ; Q2.1@-17.332,-16.2 Q2.2@-16.062,-16.2 Q2.3@-14.792,-16.2 ; R29.1@-7.4,-31.075 -7.388,-31.063 -5.763,-31.063 R30.1@-5.75,-31.05 ; R30.1@-5.925,-31.05 -5.825,-31.05 v1(-4.188,-29.413) -3.567,-29.413 -3.425,-29.271 U4.R@-3.425,-29.075
  other v1: -14.225,-33.175 -12.35,-33.175 -10.15,-33.175 -7.95,-33.175 -6.675,-31.05 -10.15,-31.025 -14.225,-31 -12.35,-31 -10.15,-28.95 -8.575,-23.225 -8.575,-22.725 -8.425,-19.5 -7.9,-19.5 -8.425,-19 -7.9,-19 -8.425,-18.5 -7.9,-18.5 -8.425,-18 -7.9,-18 -21.625,-16.8 -21.125,-16.8 -20.6,-16.8 -17.1,-15.825 -16.575,-15.825 -16.05,-15.825 -15.525,-15.825 -15,-15.825 -21.625,-15.775 -15.525,-15.35 -15,-15.35 -17.1,-15.325 -16.575,-15.325 -16.05,-15.325 -21.625,-15.2 -15.525,-14.875 -15,-14.875 -17.1,-14.85 -16.575,-14.85 -16.05,-14.85
AGND-1: C11.2 pad.10 Q2.5 Q2.6 Q2.7 Q2.8 Q2.9 Q3.5 Q3.6 Q3.7 Q3.8 Q3.9 R24.2 | length 13.2
  Top Layer w0.4: v1@-22,-14.085 -22.45,-14.535 -22.45,-17.275 -21.875,-17.85 -21.875,-19.8 -20.6,-21.075 v1(-20.6,-21.8) ; pad.10@-17.85,-25.475 -17.72,-25.345 -17.72,-22.695 C11.2@-17.475,-22.45 C11.2@-17.475,-22.68
  Bottom Layer w0.4: v1(-22.025,-14.083) -21.575,-14.083 -21.375,-13.883 R24.2@-21.375,-13.825 ; pad.10@-18.377,-25.85 pad.10@-18.152,-25.625
CC1: C25.2 D9.2 U5.7 USB-C.B5 | length 19.7
  Top Layer w0.254: U5.7@-10.04,10.75 -8.759,10.75 -8.325,11.184 v1(-8.325,11.825) ; v1@-4,5.975 -3.962,5.937 -3.107,5.937 D9.2@-3.095,5.95
  Bottom Layer w0.254: v1(-8.325,11.825) -8.325,12.3 -7.896,12.729 -7.558,12.729 -6.687,13.6 -3.775,13.6 -2.475,12.3 -2.475,8.55 -4.05,6.975 v1(-4.05,5.925) -4.067,5.908 -5.81,5.908 USB-C.B5@-5.818,5.9
CC2: C24.2 D8.2 U5.8 USB-C.A5 | length 17.3
  Top Layer w0.254: U5.8@-10.04,11.25 -9.142,11.25 -8.992,11.4 v1(-8.925,11.4) ; v1(-3.098,9) -3.094,9.004 -3.094,9.521 D8.2@-3.09,9.525
  Bottom Layer w0.254: C24.2@-9.725,12.45 -8.972,11.697 -8.972,11.447 v1(-8.925,11.4) -8.925,11.333 -8.683,11.091 -8.683,10.93 -8.503,10.75 -7.725,10.75 -7.2,11.275 -7.2,12.375 -6.475,13.1 -3.975,13.1 -3.098,12.223 v1(-3.098,9) -3.165,9 -3.265,8.9 USB-C.A5@-5.818,8.9
COM: C12.2 C13.1 R28.2 R29.2 R30.2 U4.K | length 8.7
  Bottom Layer w0.4: R29.2@-7.45,-29.55 -7.437,-29.563 R29.2@-7.4,-29.563 ; R28.2@-7.4,-28.175 R29.2@-7.4,-29.563 ; R28.2@-7.375,-28.05 -7.35,-28.025 -7.15,-28.025 -6.15,-27.025 -6.15,-26.8 C13.1@-6.05,-26.7 ; C12.2@-7.35,-25.225 -7.35,-25.325 -7.2,-25.475 -7.1,-25.475 -6.15,-26.425 -6.15,-26.6 C13.1@-6.05,-26.7 ; R30.2@-5.925,-29.55 -5.937,-29.563 R29.2@-7.4,-29.563 ; C13.1@-5.9,-26.75 -5.7,-26.75 -5.425,-27.025 U4.K@-4.425,-27.025 ; C13.1@-5.9,-26.7 C13.1@-6.05,-26.7
CS: "Q1.5 S" "Q1.6 S" "Q1.7 S" C9.1 Q1.S R11.1 R15.2 R16.2 R17.1 R18.2 R19.2 | length 49.2
  Top Layer w0.254: v1(-27.577,-45.125) -27.577,-45.637 -27.127,-46.088 -26.465,-46.75 -14.952,-46.75 -14.402,-47.3 -14.402,-51.1 -13.677,-51.825 v1@-12.127,-51.825 ; v1@-22.136,-47.591 -21.277,-48.45 v1@-16.843,-48.45
  Bottom Layer w0.254: Q1.S@-22.253,-47.707 v1(-22.253,-48.324) -22.253,-48.4 Q1.S@-20.629,-48.4 ; Q1.S@-22.252,-47.821 Q1.S@-22.202,-47.821 ; Q1.S@-21.712,-48.4 Q1.S@-20.629,-48.4 ; Q1.S@-21.652,-47.702 -21.533,-47.821 Q1.S@-20.628,-47.821 ; Q1.S@-21.171,-48.4 Q1.S@-20.629,-48.4 ; Q1.S@-21.17,-47.821 Q1.S@-20.628,-47.821 ; Q1.S@-20.089,-48.4 Q1.S@-19.573,-48.4 ; Q1.S@-19.547,-47.821 Q1.S@-19.202,-47.821 ; Q1.S@-19.202,-48.946 Q1.S@-19.202,-48.771 ; Q1.S@-19.007,-48.4 Q1.S@-18.466,-48.4 ; Q1.S@-19.006,-47.821 Q1.S@-18.465,-47.821 ; Q1.S@-18.077,-47.696 -18.202,-47.821 Q1.S@-18.465,-47.821 ; Q1.S@-17.925,-48.4 Q1.S@-16.843,-48.4 ; Q1.S@-17.384,-48.4 Q1.S@-16.843,-48.4 ; Q1.S@-16.302,-48.4 Q1.S@-16.843,-48.4 ; Q1.S@-16.177,-49.876 Q1.S@-16.177,-48.4 ; Q1.S@-16.177,-49.558 Q1.S@-16.177,-48.4 ; Q1.S@-16.177,-48.941 Q1.S@-16.177,-48.4 ; Q1.S@-16.177,-48.275 Q1.S@-16.177,-48.4 ; v1(-12.102,-51.8) -12.09,-51.787 -11.215,-51.787 R11.1@-11.202,-51.775 ; Q1.S@-20.629,-48.4 Q1.S@-19.573,-48.4 ; Q1.S@-20.628,-47.821 Q1.S@-20.152,-47.821 ; Q1.S@-20.152,-47.821 Q1.S@-19.202,-47.821 ; Q1.S@-20.152,-47.821 Q1.S@-19.573,-48.4 ; Q1.S@-19.573,-48.4 Q1.S@-19.202,-48.4 ; Q1.S@-19.573,-48.4 Q1.S@-19.202,-48.771 ; Q1.S@-19.202,-48.771 Q1.S@-19.202,-48.4 ; Q1.S@-19.202,-48.4 Q1.S@-18.466,-48.4 ; Q1.S@-19.202,-48.4 Q1.S@-19.202,-47.821 ; Q1.S@-19.202,-47.821 Q1.S@-18.465,-47.821 ; Q1.S@-18.466,-48.4 Q1.S@-16.843,-48.4
  other v1: -20.632,-50.2 -22.256,-50.175 -21.715,-50.175 -21.174,-50.175 -20.633,-50.175 -20.092,-50.175 -19.551,-50.175 -19.01,-50.175 -18.469,-50.175 -17.928,-50.175 -17.387,-50.175 -16.846,-50.175 -16.305,-50.175 -20.631,-49.583 -22.255,-49.558 -21.714,-49.558 -21.173,-49.558 -20.632,-49.558 -20.091,-49.558 -19.55,-49.558 -19.009,-49.558 -18.468,-49.558 -17.927,-49.558 -17.386,-49.558 -16.845,-49.558 -16.304,-49.558 -20.63,-48.966 -22.254,-48.941 -21.713,-48.941 -21.172,-48.941 -20.631,-48.941 -20.09,-48.941 -19.549,-48.941 -19.008,-48.941 -18.467,-48.941 -17.926,-48.941 -17.385,-48.941 -16.844,-48.941 -16.303,-48.941 -20.629,-48.349 -21.712,-48.324 -21.171,-48.324 -20.63,-48.324 -20.089,-48.324 -19.548,-48.324 -19.007,-48.324 -18.466,-48.324 -17.925,-48.324 -17.384,-48.324 -16.843,-48.324 -16.302,-48.324 -29.077,-48.2 -27.552,-48.2 -26.077,-48.125 -24.577,-48.125 -23.077,-48.125 -20.628,-47.732 -22.252,-47.707 -21.711,-47.707 -21.17,-47.707 -20.629,-47.707 -20.088,-47.707 -19.547,-47.707 -19.006,-47.707 -18.465,-47.707 -17.924,-47.707 -17.383,-47.707 -16.842,-47.707 -16.301,-47.707 -29.077,-46.675 -27.552,-46.675 -29.077,-45.15 -26.077,-45.125 -24.577,-45.125 -23.077,-45.125 -21.577,-45.125 -20.077,-45.125 -18.577,-45.125 -29.077,-43.625 -27.577,-43.625 -26.077,-43.625 -24.577,-43.625 -23.077,-43.625 -21.577,-43.625 -20.077,-43.625 -18.577,-43.625
CSP: C22.1 R37.1 U5.9 | length 6.1
  Top Layer w0.254: U5.9@-10.04,11.75 -10.027,11.763 -9.385,11.763 -7.244,13.904 -7.244,14.296 -7.09,14.45 -5.415,14.45 R37.1@-5.34,14.525
DM: D6.2 U5.6 USB-C.A7 USB-C.B7 | length 19.4
  Top Layer w0.254: U5.6@-10.04,10.25 -10.027,10.237 -9.51,10.237 -9.505,10.232 -8.593,10.232 -7.625,11.2 -7.625,12.625 -6.646,13.604 -4.029,13.604 -2.846,12.421 -2.846,10.671 -3.675,9.842 -3.675,8.492 -3.573,8.39 v1(-3.573,8.323) ; v1@-3.577,8.325 D6.2@-3.095,8.325
  Bottom Layer w0.254: USB-C.B7@-5.818,8.4 -3.824,8.4 -3.794,8.37 -3.62,8.37 v1(-3.573,8.323) ; USB-C.A7@-5.35,7.4 -4.45,7.4 -3.587,8.263 v1@-3.587,8.335
DP: D7.2 U5.5 USB-C.A6 USB-C.B6 | length 22.8
  Top Layer w0.254: U5.5@-11.04,9.25 -11.04,9.597 -11.027,9.61 -8.53,9.61 -7.115,11.025 -7.115,12.46 -6.425,13.15 -4.225,13.15 -3.3,12.225 -3.3,10.859 -4.15,10.009 -4.15,7.15 -4.6,6.7 v1(-4.64,6.7) -3.545,6.7 -3.208,7.037 -3.208,7.077 -3.135,7.15 D7.2@-3.095,7.15
  Bottom Layer w0.254: USB-C.A6@-5.675,7.9 -5.683,7.892 -6.658,7.892 -6.815,7.735 -6.815,7.13 -6.78,7.095 -6.593,6.908 -5.826,6.908 USB-C.B6@-5.818,6.9 -4.902,6.9 -4.677,6.675 v1@-4.625,6.675
GATE: Q4.4 U5.17 | length 14.9
  Top Layer w0.254: v1(-15.467,4.542) -15.401,4.542 -15.308,4.45 -9.932,4.45 Q4.4@-9.882,4.5 ; v1(-15.167,12.075) -15.1,12.075 -14.788,11.763 U5.17@-14.028,11.763 ; Q4.4@-9.963,4.673 Q4.4@-9.79,4.673
  Bottom Layer w0.254: v1(-15.467,4.542) -15.467,4.609 -15.666,4.807 -15.666,6.349 -15.165,6.85 -15.165,12.073 v1(-15.167,12.075)
GND: C15.1 C16.1 C17.1 C22.2 C24.1 C25.1 GND.1 R31.1 R32.1 R33.2 R36.1 R39.2 U5.10 U5.21 | length 31
  Top Layer w0.254: C17.1@-16.95,11.25 -16.95,11.963 -17.165,12.178 -17.165,12.272 -16.95,12.487 R33.2@-16.95,13.175 ; R31.1@-14.565,6.325 -13.015,6.325 -11.44,6.325 C15.1@-9.89,6.325 ; U5.10@-10.04,12.25 -9.54,12.25 -7.89,13.9 -7.89,15.2 -7.494,15.596 -7.244,15.596 -7.115,15.725 C22.2@-6.99,15.85 ; C22.2@-7.065,15.675 -6.815,15.675 -6.736,15.596 -6.736,15.524 -6.587,15.375 -3.14,15.375 -2.94,15.175 -2.09,15.175 -1.69,15.575 R36.1@-1.69,16.4
  Bottom Layer w0.254: v1@-11.315,10.52 -11.315,0.402 -11.074,0.162 -11.074,-0.34 GND.1@-10.115,-1.3
  other v1: -13.425,1.4 -17.7,1.425 -15.75,1.45 -17.9,5.825 -13.765,6.775 -12.215,6.775 -10.59,6.775 -17.875,9.5 -13.775,9.6 -12.761,10.538 -11.334,10.538 -12.04,11.25 -12.765,11.975 -11.315,11.975 -17.165,12.225 -16.59,12.225 -0.59,16.125 -3.765,16.15 -3.29,16.15 -2.815,16.15 -3.765,16.625 -3.29,16.625 -2.815,16.625 -0.59,16.65
GND-C: C23.1 D6.1 D7.1 D8.1 D9.1 R36.2 R37.2 USB-C.B1/A12 USB-C.B12/A1 USB-C.gnd | length 16.4
  Top Layer w0.254: R37.2@-4.19,14.55 -2.14,14.55 -1.69,14.1 R36.2@-1.69,13.2
  Bottom Layer w0.254: USB-C.gnd@-5.138,3.075 -1.065,3.075 USB-C.gnd@-0.94,3.2 ; USB-C.gnd@-1.415,11.725 USB-C.gnd@-1.365,11.675 ; USB-C.gnd@-1.015,3.275 -0.943,3.347 USB-C.gnd@-0.943,11.725
GPIO6: U5.13
GPIO7: U5.14
IFB: C18.1 C21.1 U5.12 | length 5.9
  Top Layer w0.254: C21.1@-15.675,16.325 -14.9,15.55 -13.115,15.55 -12.515,14.95 -12.39,14.95 C18.1@-12.29,14.95 ; C18.1@-12.39,14.825 -11.553,13.988 -11.553,13.263 U5.12@-11.54,13.25
NetA_1: 
NetC2_2: C6.1 R6.1 R8.1 R9.1 R12.2 R13.2 | length 10.6
  Bottom Layer w0.254: R6.1@-33.581,-56.461 -33.291,-56.171 -33.291,-51.86 ; R6.1@-32.877,-56.093 -31.744,-56.093 -31.287,-56.551 -28.957,-56.551 C6.1@-27.198,-56.551
NetC3_2: C18.2 R34.1 | length 2
  Top Layer w0.254: R34.1@-15.65,14.825 C18.2@-13.69,14.825
NetC4_2: C19.2 R35.1 | length 1.6
  Top Layer w0.254: R35.1@-9.5,16.325 -9.5,14.885 C19.2@-9.415,14.8
NetC8_1: C10.1 U2.4 | length 1.6
  Bottom Layer w0.35: C10.1@-19.371,-8.905 -19.371,-9.055 -18.93,-9.496 U2.4@-18.93,-10.285
NetC12_2: "Q1.1 D" "Q1.2 D" "Q1.3 D" "Q1.4 D" C4.2 C9.2 D5.1 T1.3
NetC22_1: C5.1 R11.2 U1.5CS | length 3.2
  Bottom Layer w0.35: R11.2@-11.227,-50.275 -11.215,-50.262 -11.215,-49.062 C5.1@-11.202,-49.05 ; R11.2@-11.002,-50.375 -9.144,-50.375 -9.052,-50.467 U1.5CS@-9.052,-50.475
NetC23_1: NTC3.1 U1.1FAULT | length 2.8
  Bottom Layer w0.4: NTC3.1@-5.275,-53.1 -5.152,-53.1 -5.052,-53 U1.1FAULT@-5.052,-50.475
NetC26_1: C2.1 U1.3FB U3.4 | length 15.6
  Bottom Layer w0.4: C2.1@-6.727,-53.05 -6.952,-53.05 -7.002,-53 -7.002,-52.775 -7.052,-52.725 U1.3FB@-7.052,-50.475 -7.052,-49.15 -6.152,-48.25 -3.377,-48.25 -2.777,-47.65 -2.777,-43.21 -3.662,-42.325 -3.912,-42.325 -4.162,-42.075 U3.4@-4.162,-41.825
NetC27_1: C3.1 R4.1 R5.1 U1.4ZCD | length 7.4
  Bottom Layer w0.35: R5.1@-9.752,-53.075 R5.1@-9.79,-53.112 ; U1.4ZCD@-8.052,-50.475 -8.052,-53.175 -8.252,-53.175 -8.315,-53.112 R5.1@-9.79,-53.112 ; R5.1@-9.79,-53.112 R5.1@-9.802,-53.125 R4.1@-11.227,-53.125 -11.215,-53.112 R5.1@-9.79,-53.112
NetD1_K: D5.2 R12.1 R13.1 | length 4.5
  Bottom Layer w0.254: R12.1@-30.912,-51.975 -30.912,-54.2 D5.2@-29.486,-54.2 ; D5.2@-29.486,-54.325 D5.2@-29.335,-54.325 ; D5.2@-29.486,-54.19 D5.2@-29.416,-54.119 ; D5.2@-29.416,-54.244 -29.113,-53.942 D5.2@-29.113,-53.79
NetD2_1: C26.1 D3.2 R7.2 | length 1.6
  Bottom Layer w0.254: D3.2@-8.577,-56.75 -8.527,-56.7 R7.2@-7.277,-56.7 ; R7.2@-7.277,-56.925 R7.2@-7.277,-56.65
NetD23_K: R10.2 U1.7DRV | length 4.9
  Bottom Layer w0.4: R10.2@-11.14,-45.8 -11.127,-45.8 -10.952,-45.975 -10.952,-45.988 -9.84,-47.1 -8.702,-47.1 -8.081,-46.479 -8.081,-45.504 U1.7DRV@-8.052,-45.475
NetQ1_4: Q2.4 Q3.4 R23.2 | length 10.9
  Bottom Layer w0.35: Q3.4@-19.247,-16.275 -19.247,-16.107 -19.117,-15.977 -18.95,-15.977 -18.7,-15.728 -18.7,-14.9 -17.75,-13.95 -16.657,-13.95 -16.15,-13.444 ; R23.2@-17.437,-12.159 -17.312,-12.284 -16.766,-12.284 -16.15,-12.9 -16.15,-13.444 ; -13.559,-15.727 -13.559,-15.169 -14.778,-13.95 -15.643,-13.95 -16.15,-13.444
NetR12_1: R20.1 U2.3 | length 1.7
  Bottom Layer w0.35: R20.1@-22.97,-10.596 -22.82,-10.596 -22.509,-10.285 U2.3@-21.37,-10.285
NetR13_2: R24.1 U2.6 | length 1.8
  Bottom Layer w0.5: R24.1@-19.375,-13.825 -19.225,-13.675 -19.225,-13.4 -18.875,-13.05 -18.875,-12.215 U2.6@-18.852,-12.215
NetR29_1: "U1.10 HV" R2.2 | length 34.3
  Top Layer w0.5: R2.2@-26.225,-27.675 -26.225,-33.475 -19.325,-40.375 -6.05,-40.375 -5.054,-41.371 v1(-5.054,-43.848)
  Bottom Layer w0.254: -5.053,-45.474 v1(-5.054,-43.848)
NewNet: C26.2 R38.1
NewNet1: LF1.1 NTC2.2 | length 2.3
  Bottom Layer w0.254: NTC2.2@-45.271,16.125 -45.262,16.116 -43.033,16.116 -43.023,16.107
NewNet2: NTC1.1 NTC2.1 | length 3.9
  Bottom Layer w0.5: NTC1.1@-51.277,8.975 -51.264,8.963 -47.439,8.963 NTC2.1@-47.427,8.95
NewNet3: 
NTC: R31.2 U5.1 | length 2.3
  Top Layer w0.254: R31.2@-14.475,7.623 -14.221,7.877 -14.023,7.877 -13.053,8.847 -13.053,9.237 U5.1@-13.04,9.25
ONLINE: R39.1 U5.3 | length 1.6
  Top Layer w0.254: U5.3@-12.04,9.25 -12.04,8.228 -11.625,7.813 R39.1@-11.625,7.775
OPTO: C20.2 C21.2 pad.2@-6.865,-1.3 R34.2 R35.2 U5.19 | length 35.9
  Top Layer w0.254: R34.2@-16.95,14.825 -17.765,14.01 -17.765,10.825 -17.25,10.31 -17.25,8.142 ; U5.19@-14.04,10.75 -14.053,10.737 -14.513,10.737 -14.533,10.717 -14.675,10.717 -16.733,8.66 -17.25,8.142 ; pad.2@-6.815,-0.6 -7.065,-0.6 -7.488,-0.177 -7.488,0.073 -7.915,0.5 -9.815,0.5 -12.44,3.125 -15.832,3.125 -17.25,4.543 -17.25,8.142
  Top Layer w0.35: v1(-14.34,16.2) -14.311,16.229 -13.796,16.229 C20.2@-13.7,16.325
  Top Layer w0.4: v1(-16.99,15.55) -16.982,15.558 -16.982,16.318 C21.2@-16.975,16.325 ; v1@-16.962,15.55 -16.962,14.838 R34.2@-16.95,14.825
  Bottom Layer w0.35: v1(-16.99,15.55) -16.34,16.2 v1(-14.34,16.2) -14.327,16.187 -11.427,16.187 v1(-11.415,16.175)